# Altium PCB rev5.PcbDoc (part 1 of 3)
Units mil, origin at the board's own origin, x right, y up, seen from the top; angles counter-clockwise.
Board outline 1000 x 900 mil, 2 copper layers (Top Layer, Bottom Layer); 120 components, 16 nets, 1280 pads, 0 vias.
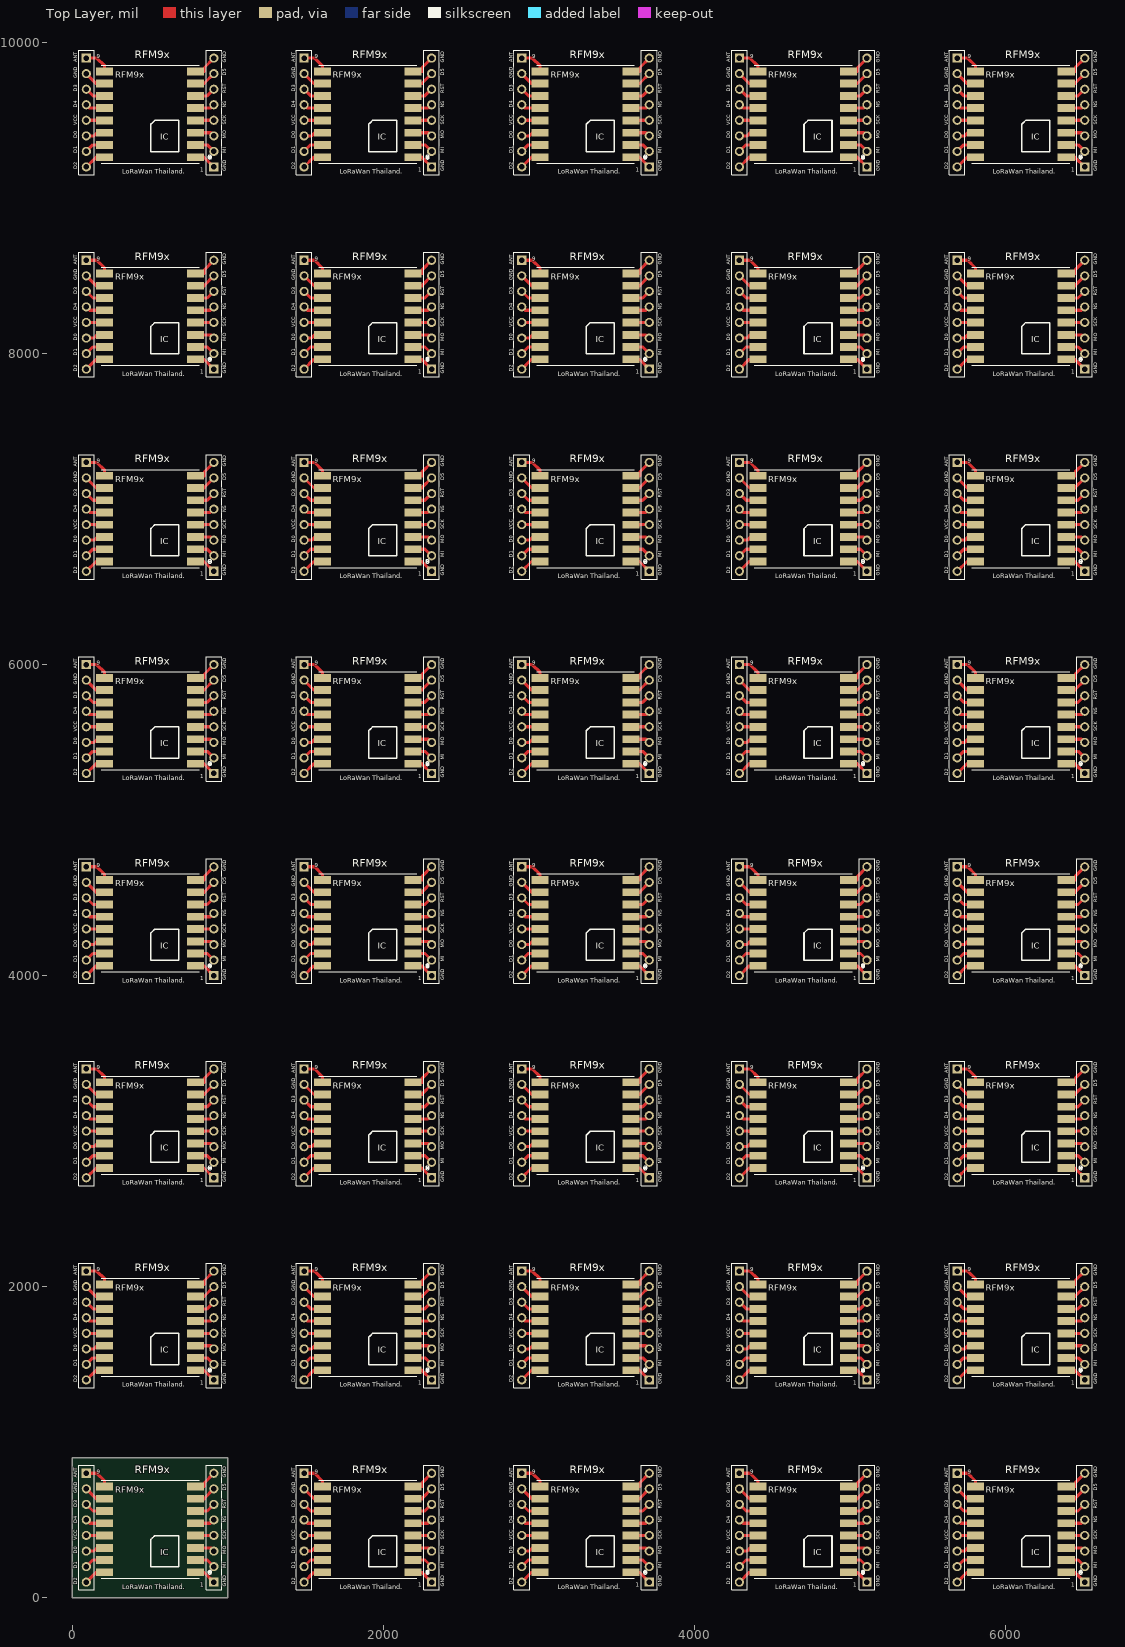
[diagram p0: Top Layer view]
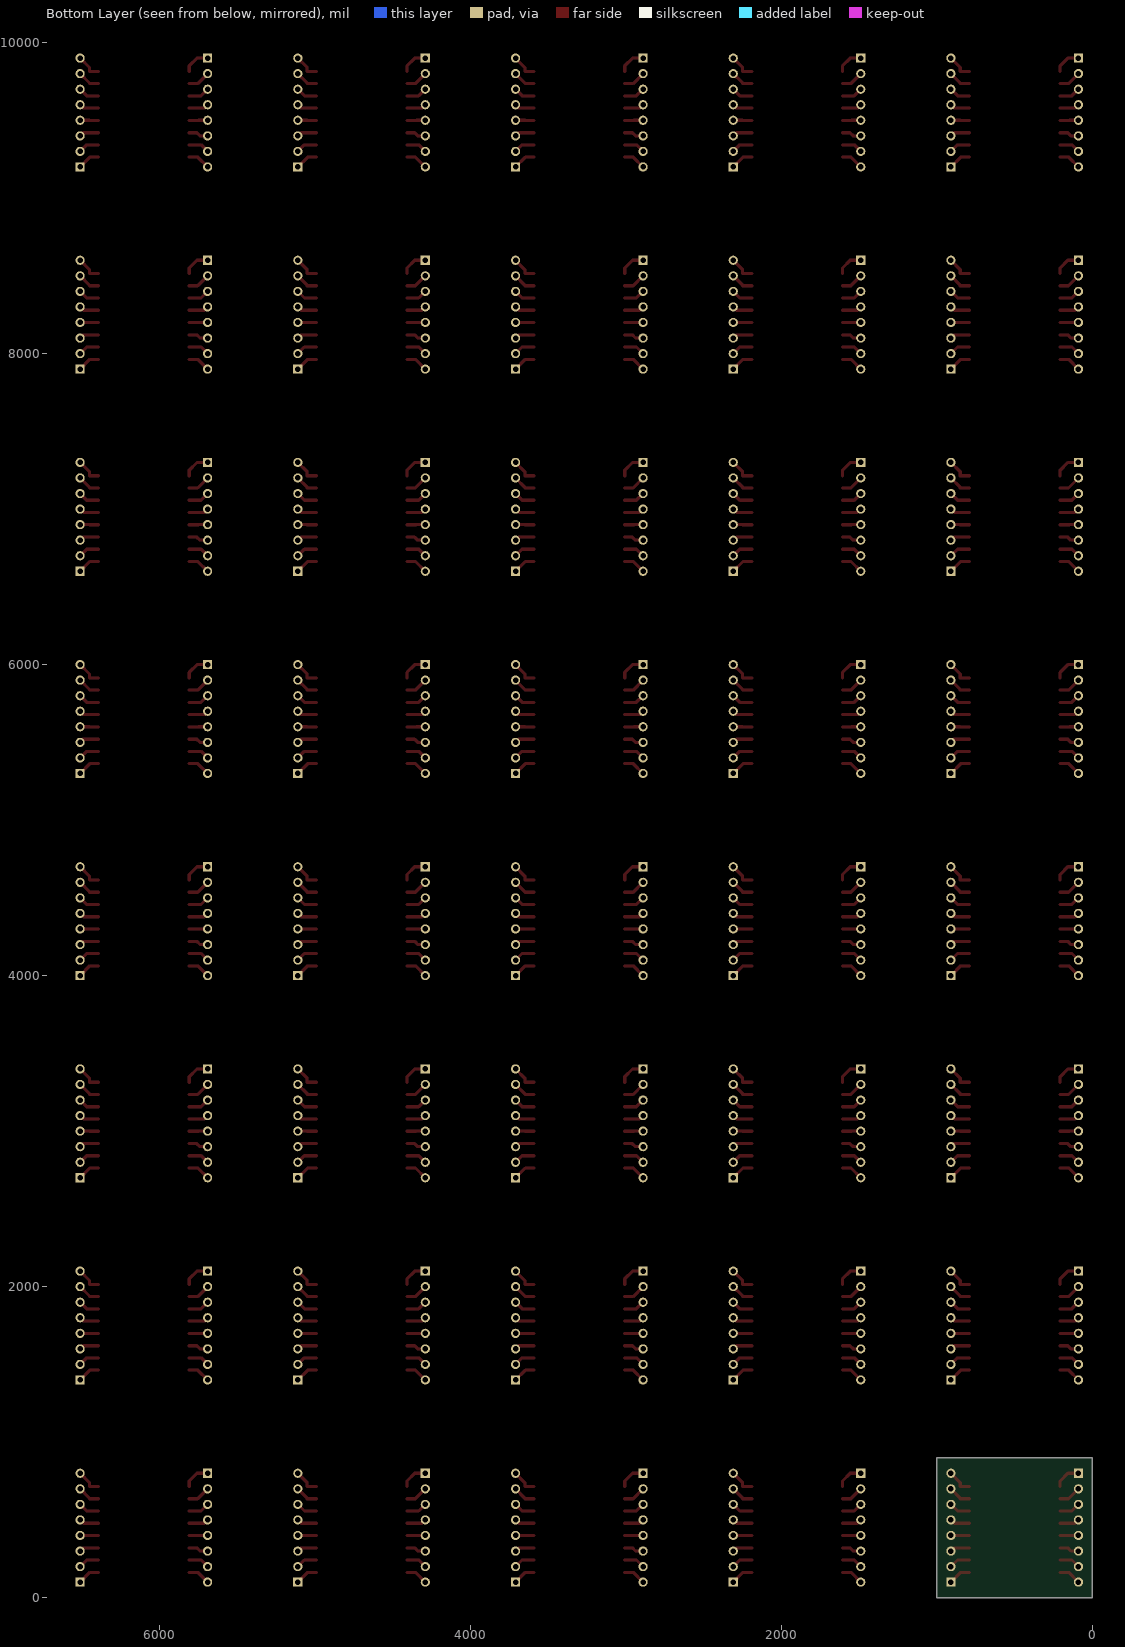
[diagram p1: Bottom Layer view, seen from below]

## Layer stack, top to bottom
Top Solder: solder mask 0.4, Solder Resist, Dk 3.5
Top Layer: signal copper 1.4
Dielectric 1: dielectric 12.6, FR-4, Dk 4.8
Bottom Layer: signal copper 1.4
Bottom Solder: solder mask 0.4, Solder Resist, Dk 3.5

## Board outline
0,0 1000,0 1000,900 0,900

## Design rules (kind name [scope] priority, off if disabled: settings)
Clearance [All] p1: gap=20
PolygonConnect [All] p1: connectstyle=Relief reliefconductorwidth=10 reliefentries=4 polygonreliefangle="90 Angle" airgapwidth=10
RoutingVias [All] p1: holewidth=28 width=50 viastyle="Through Hole" minholewidth=28 minwidth=50 maxholewidth=28 maxwidth=50
SolderMaskExpansion [All] p1: expansion=4
Width [All] p1: maxlimit=20 minlimit=20 preferedwidth=20
30 further rules are at their usual default settings.

## Components (designator, comment, footprint, x,y, rotation, side; value= is the part's Value field where it differs from the comment)
1 "Header 8" HDR1X8 6510,9200 r90 top (schematic designator P1)
1 "Header 8" HDR1X8 5110,9200 r90 top (schematic designator P1)
1 "Header 8" HDR1X8 3710,9200 r90 top (schematic designator P1)
1 "Header 8" HDR1X8 2310,9200 r90 top (schematic designator P1)
1 "Header 8" HDR1X8 910,9200 r90 top (schematic designator P1)
1 "Header 8" HDR1X8 6510,7900 r90 top (schematic designator P1)
1 "Header 8" HDR1X8 5110,7900 r90 top (schematic designator P1)
1 "Header 8" HDR1X8 3710,7900 r90 top (schematic designator P1)
1 "Header 8" HDR1X8 2310,7900 r90 top (schematic designator P1)
1 "Header 8" HDR1X8 910,7900 r90 top (schematic designator P1)
1 "Header 8" HDR1X8 6510,6600 r90 top (schematic designator P1)
1 "Header 8" HDR1X8 5110,6600 r90 top (schematic designator P1)
1 "Header 8" HDR1X8 3710,6600 r90 top (schematic designator P1)
1 "Header 8" HDR1X8 2310,6600 r90 top (schematic designator P1)
1 "Header 8" HDR1X8 910,6600 r90 top (schematic designator P1)
1 "Header 8" HDR1X8 6510,5300 r90 top (schematic designator P1)
1 "Header 8" HDR1X8 5110,5300 r90 top (schematic designator P1)
1 "Header 8" HDR1X8 3710,5300 r90 top (schematic designator P1)
1 "Header 8" HDR1X8 2310,5300 r90 top (schematic designator P1)
1 "Header 8" HDR1X8 910,5300 r90 top (schematic designator P1)
1 "Header 8" HDR1X8 6510,4000 r90 top (schematic designator P1)
1 "Header 8" HDR1X8 5110,4000 r90 top (schematic designator P1)
1 "Header 8" HDR1X8 3710,4000 r90 top (schematic designator P1)
1 "Header 8" HDR1X8 2310,4000 r90 top (schematic designator P1)
1 "Header 8" HDR1X8 910,4000 r90 top (schematic designator P1)
1 "Header 8" HDR1X8 6510,2700 r90 top (schematic designator P1)
1 "Header 8" HDR1X8 5110,2700 r90 top (schematic designator P1)
1 "Header 8" HDR1X8 3710,2700 r90 top (schematic designator P1)
1 "Header 8" HDR1X8 2310,2700 r90 top (schematic designator P1)
1 "Header 8" HDR1X8 910,2700 r90 top (schematic designator P1)
1 "Header 8" HDR1X8 6510,1400 r90 top (schematic designator P1)
1 "Header 8" HDR1X8 5110,1400 r90 top (schematic designator P1)
1 "Header 8" HDR1X8 3710,1400 r90 top (schematic designator P1)
1 "Header 8" HDR1X8 2310,1400 r90 top (schematic designator P1)
1 "Header 8" HDR1X8 910,1400 r90 top (schematic designator P1)
1 "Header 8" HDR1X8 6510,100 r90 top (schematic designator P1)
1 "Header 8" HDR1X8 5110,100 r90 top (schematic designator P1)
1 "Header 8" HDR1X8 3710,100 r90 top (schematic designator P1)
1 "Header 8" HDR1X8 2310,100 r90 top (schematic designator P1)
1 "Header 8" HDR1X8 910,100 r90 top (schematic designator P1)
9 "Header 8" HDR1X8 5690,9900 r270 top (schematic designator P2)
9 "Header 8" HDR1X8 2890,9900 r270 top (schematic designator P2)
9 "Header 8" HDR1X8 90,9900 r270 top (schematic designator P2)
9 "Header 8" HDR1X8 4290,9900 r270 top (schematic designator P2)
9 "Header 8" HDR1X8 1490,9900 r270 top (schematic designator P2)
9 "Header 8" HDR1X8 5690,8600 r270 top (schematic designator P2)
9 "Header 8" HDR1X8 2890,8600 r270 top (schematic designator P2)
9 "Header 8" HDR1X8 90,8600 r270 top (schematic designator P2)
9 "Header 8" HDR1X8 4290,8600 r270 top (schematic designator P2)
9 "Header 8" HDR1X8 1490,8600 r270 top (schematic designator P2)
9 "Header 8" HDR1X8 5690,7300 r270 top (schematic designator P2)
9 "Header 8" HDR1X8 2890,7300 r270 top (schematic designator P2)
9 "Header 8" HDR1X8 90,7300 r270 top (schematic designator P2)
9 "Header 8" HDR1X8 4290,7300 r270 top (schematic designator P2)
9 "Header 8" HDR1X8 1490,7300 r270 top (schematic designator P2)
9 "Header 8" HDR1X8 5690,6000 r270 top (schematic designator P2)
9 "Header 8" HDR1X8 2890,6000 r270 top (schematic designator P2)
9 "Header 8" HDR1X8 90,6000 r270 top (schematic designator P2)
9 "Header 8" HDR1X8 4290,6000 r270 top (schematic designator P2)
9 "Header 8" HDR1X8 1490,6000 r270 top (schematic designator P2)
9 "Header 8" HDR1X8 5690,4700 r270 top (schematic designator P2)
9 "Header 8" HDR1X8 2890,4700 r270 top (schematic designator P2)
9 "Header 8" HDR1X8 90,4700 r270 top (schematic designator P2)
9 "Header 8" HDR1X8 4290,4700 r270 top (schematic designator P2)
9 "Header 8" HDR1X8 1490,4700 r270 top (schematic designator P2)
9 "Header 8" HDR1X8 5690,3400 r270 top (schematic designator P2)
9 "Header 8" HDR1X8 2890,3400 r270 top (schematic designator P2)
9 "Header 8" HDR1X8 90,3400 r270 top (schematic designator P2)
9 "Header 8" HDR1X8 4290,3400 r270 top (schematic designator P2)
9 "Header 8" HDR1X8 1490,3400 r270 top (schematic designator P2)
9 "Header 8" HDR1X8 5690,2100 r270 top (schematic designator P2)
9 "Header 8" HDR1X8 2890,2100 r270 top (schematic designator P2)
9 "Header 8" HDR1X8 90,2100 r270 top (schematic designator P2)
9 "Header 8" HDR1X8 4290,2100 r270 top (schematic designator P2)
9 "Header 8" HDR1X8 1490,2100 r270 top (schematic designator P2)
9 "Header 8" HDR1X8 5690,800 r270 top (schematic designator P2)
9 "Header 8" HDR1X8 4290,800 r270 top (schematic designator P2)
9 "Header 8" HDR1X8 2890,800 r270 top (schematic designator P2)
9 "Header 8" HDR1X8 1490,800 r270 top (schematic designator P2)
9 "Header 8" HDR1X8 90,800 r270 top (schematic designator P2)
RFM9x "LoRa SX1276" XCVR_RFM95W-868S2 6100,9539 r180 top
RFM9x "LoRa SX1276" XCVR_RFM95W-868S2 4700,9539 r180 top
RFM9x "LoRa SX1276" XCVR_RFM95W-868S2 3300,9539 r180 top
RFM9x "LoRa SX1276" XCVR_RFM95W-868S2 1900,9539 r180 top
RFM9x "LoRa SX1276" XCVR_RFM95W-868S2 500,9539 r180 top
RFM9x "LoRa SX1276" XCVR_RFM95W-868S2 6100,8239 r180 top
RFM9x "LoRa SX1276" XCVR_RFM95W-868S2 4700,8239 r180 top
RFM9x "LoRa SX1276" XCVR_RFM95W-868S2 3300,8239 r180 top
RFM9x "LoRa SX1276" XCVR_RFM95W-868S2 1900,8239 r180 top
RFM9x "LoRa SX1276" XCVR_RFM95W-868S2 500,8239 r180 top
RFM9x "LoRa SX1276" XCVR_RFM95W-868S2 6100,6939 r180 top
RFM9x "LoRa SX1276" XCVR_RFM95W-868S2 4700,6939 r180 top
RFM9x "LoRa SX1276" XCVR_RFM95W-868S2 3300,6939 r180 top
RFM9x "LoRa SX1276" XCVR_RFM95W-868S2 1900,6939 r180 top
RFM9x "LoRa SX1276" XCVR_RFM95W-868S2 500,6939 r180 top
RFM9x "LoRa SX1276" XCVR_RFM95W-868S2 6100,5639 r180 top
RFM9x "LoRa SX1276" XCVR_RFM95W-868S2 4700,5639 r180 top
RFM9x "LoRa SX1276" XCVR_RFM95W-868S2 3300,5639 r180 top
RFM9x "LoRa SX1276" XCVR_RFM95W-868S2 1900,5639 r180 top
RFM9x "LoRa SX1276" XCVR_RFM95W-868S2 500,5639 r180 top
RFM9x "LoRa SX1276" XCVR_RFM95W-868S2 6100,4339 r180 top
RFM9x "LoRa SX1276" XCVR_RFM95W-868S2 4700,4339 r180 top
RFM9x "LoRa SX1276" XCVR_RFM95W-868S2 3300,4339 r180 top
RFM9x "LoRa SX1276" XCVR_RFM95W-868S2 1900,4339 r180 top
RFM9x "LoRa SX1276" XCVR_RFM95W-868S2 500,4339 r180 top
RFM9x "LoRa SX1276" XCVR_RFM95W-868S2 6100,3039 r180 top
RFM9x "LoRa SX1276" XCVR_RFM95W-868S2 4700,3039 r180 top
RFM9x "LoRa SX1276" XCVR_RFM95W-868S2 3300,3039 r180 top
RFM9x "LoRa SX1276" XCVR_RFM95W-868S2 1900,3039 r180 top
RFM9x "LoRa SX1276" XCVR_RFM95W-868S2 500,3039 r180 top
RFM9x "LoRa SX1276" XCVR_RFM95W-868S2 6100,1739 r180 top
RFM9x "LoRa SX1276" XCVR_RFM95W-868S2 4700,1739 r180 top
RFM9x "LoRa SX1276" XCVR_RFM95W-868S2 3300,1739 r180 top
RFM9x "LoRa SX1276" XCVR_RFM95W-868S2 1900,1739 r180 top
RFM9x "LoRa SX1276" XCVR_RFM95W-868S2 500,1739 r180 top
RFM9x "LoRa SX1276" XCVR_RFM95W-868S2 6100,439 r180 top
RFM9x "LoRa SX1276" XCVR_RFM95W-868S2 4700,439 r180 top
RFM9x "LoRa SX1276" XCVR_RFM95W-868S2 3300,439 r180 top
RFM9x "LoRa SX1276" XCVR_RFM95W-868S2 1900,439 r180 top
RFM9x "LoRa SX1276" XCVR_RFM95W-868S2 500,439 r180 top

## Footprints (in the part's own frame and the unit in brackets; to place one, negate y for a bottom-side part, rotate by r counter-clockwise, add the part's x,y. Pads: shape width x height; smd on the part's side, far side on the other; paste and mask are expansions set on the pad)
HDR1X8 [mm] "Connector; Header; 8 Position"
  rect 1.5x1.5 hole 0.9: 1(0,0)
  round 1.5 hole 0.9: 2(2.54,0) 3(5.08,0) 4(7.62,0) 5(10.16,0) 6(12.7,0) 7(15.24,0) 8(17.78,0)
  silkscreen extent -1.27,-1.27 19.05,1.27
XCVR_RFM95W-868S2 [mil]
  rect 110x50 smd: 1(-291.34,276) 2(-291.34,197) 3(-291.34,119) 4(-291.34,40) 5(-291.34,-39.37) 6(-291.34,-118.11) 7(-291.34,-196.85) 8(-291.34,-275.59) 9(292,-275.59) 10(292,-196.85) 11(292,-118.11) 12(292,-39.37) 13(292,40) 14(292,119) 15(292,197) 16(292,276)
  silkscreen extent -396,-315 315,315, body extent -315,-313 315,313, height 88

## Part data
1 1 1 1 1 1 1 1 1 1 1 1 1 1 1 1 1 1 1 1 1 1 1 1 1 1 1 1 1 1 1 1 1 1 1 1 1 1 1 1 9 9 9 9 9 9 9 9 9 9 9 9 9 9 9 9 9 9 9 9 9 9 9 9 9 9 9 9 9 9 9 9 9 9 9 9 9 9 9 9: "Header, 8-Pin"
RFM9x RFM9x RFM9x RFM9x RFM9x RFM9x RFM9x RFM9x RFM9x RFM9x RFM9x RFM9x RFM9x RFM9x RFM9x RFM9x RFM9x RFM9x RFM9x RFM9x RFM9x RFM9x RFM9x RFM9x RFM9x RFM9x RFM9x RFM9x RFM9x RFM9x RFM9x RFM9x RFM9x RFM9x RFM9x RFM9x RFM9x RFM9x RFM9x RFM9x: library part RFM95W-868S2

## Nets (pads, with @x,y where several pads share a name; then routed paths per layer and width w, separated by ;. In a path a pad name is that pad's centre, name@x,y a point inside that pad or via, vN(x,y) a via of type N, cw(c..) or ccw(c..) an arc to the next point about the centre after c; other vN are vias at no path point)
NetP1_1: 1.1@910,100 RFM9x.1@791.34,163 | length 144.8
  Top Layer w20: RFM9x.1@791.34,163 847,163 1.1@910,100
NetP1_2: 1.2@910,200 RFM9x.2@791.34,242 | length 136.1
  Top Layer w20: RFM9x.2@791.34,242 868,242 1.2@910,200
NetP1_3: 1.3@910,300 RFM9x.3@791.34,320 | length 126.9
  Top Layer w20: RFM9x.3@791.34,320 890,320 1.3@910,300
NetP1_4: 1.4@910,400 RFM9x.4@791.34,399 | length 119.1
  Top Layer w20: RFM9x.4@791.34,399 850,399 851,400 1.4@910,400
NetP1_5: 1.5@910,500 RFM9x.5@791.34,478.37 | length 127.6
  Top Layer w20: RFM9x.5@791.34,478.37 888.37,478.37 1.5@910,500
NetP1_6: 1.6@910,600 RFM9x.6@791.34,557.11 | length 136.4
  Top Layer w20: RFM9x.6@791.34,557.11 867.11,557.11 1.6@910,600
NetP1_7: 1.7@910,700 RFM9x.7@791.34,635.85 | length 147.7
  Top Layer w20: RFM9x.7@791.34,635.85 850,635.85 850,640 1.7@910,700
NetP1_8: 1.8@910,800 RFM9x.8@791.34,714.59 | length 168.9
  Top Layer w20: RFM9x.8@791.34,714.59 850,714.59 850,740 1.8@910,800
NetP2_1: 9.1@90,800 RFM9x.9@208,714.59 | length 174.1
  Top Layer w20: 9.1@90,800 158,800 208,750 RFM9x.9@208,714.59
NetP2_2: 9.2@90,700 RFM9x.10@208,635.85 | length 144.6
  Top Layer w20: 9.2@90,700 154.15,635.85 RFM9x.10@208,635.85
NetP2_3: 9.3@90,600 RFM9x.11@208,557.11 | length 135.8
  Top Layer w20: 9.3@90,600 132.89,557.11 RFM9x.11@208,557.11
NetP2_4: 9.4@90,500 RFM9x.12@208,478.37 | length 127
  Top Layer w20: 9.4@90,500 111.63,478.37 RFM9x.12@208,478.37
NetP2_5: 9.5@90,400 RFM9x.13@208,399 | length 118.4
  Top Layer w20: 9.5@90,400 148,400 149,399 RFM9x.13@208,399
NetP2_6: 9.6@90,300 RFM9x.14@208,320 | length 126.3
  Top Layer w20: 9.6@90,300 139,300 159,320 RFM9x.14@208,320
NetP2_7: 9.7@90,200 RFM9x.15@208,242 | length 135.4
  Top Layer w20: 9.7@90,200 132,242 RFM9x.15@208,242
NetP2_8: 9.8@90,100 RFM9x.16@208,163 | length 144.1
  Top Layer w20: 9.8@90,100 153,163 RFM9x.16@208,163
pads on no net: 1.1@910,1400 1.1@910,2700 1.1@910,4000 1.1@910,5300 1.1@910,6600 1.1@910,7900 1.1@910,9200 1.1@2310,100 1.1@2310,1400 1.1@2310,2700 1.1@2310,4000 1.1@2310,5300 1.1@2310,6600 1.1@2310,7900 1.1@2310,9200 1.1@3710,100 1.1@3710,1400 1.1@3710,2700 1.1@3710,4000 1.1@3710,5300 1.1@3710,6600 1.1@3710,7900 1.1@3710,9200 1.1@5110,100 1.1@5110,1400 1.1@5110,2700 1.1@5110,4000 1.1@5110,5300 1.1@5110,6600 1.1@5110,7900 1.1@5110,9200 1.1@6510,100 1.1@6510,1400 1.1@6510,2700 1.1@6510,4000 1.1@6510,5300 1.1@6510,6600 1.1@6510,7900 1.1@6510,9200 1.2@910,1500 1.2@910,2800 1.2@910,4100 1.2@910,5400 1.2@910,6700 1.2@910,8000 1.2@910,9300 1.2@2310,200 1.2@2310,1500 1.2@2310,2800 1.2@2310,4100 1.2@2310,5400 1.2@2310,6700 1.2@2310,8000 1.2@2310,9300 1.2@3710,200 1.2@3710,1500 1.2@3710,2800 1.2@3710,4100 1.2@3710,5400 1.2@3710,6700 1.2@3710,8000 1.2@3710,9300 1.2@5110,200 1.2@5110,1500 1.2@5110,2800 1.2@5110,4100 1.2@5110,5400 1.2@5110,6700 1.2@5110,8000 1.2@5110,9300 1.2@6510,200 1.2@6510,1500 1.2@6510,2800 1.2@6510,4100 1.2@6510,5400 1.2@6510,6700 1.2@6510,8000 1.2@6510,9300 1.3@910,1600 1.3@910,2900 1.3@910,4200 1.3@910,5500 1.3@910,6800 1.3@910,8100 1.3@910,9400 1.3@2310,300 1.3@2310,1600 1.3@2310,2900 1.3@2310,4200 1.3@2310,5500 1.3@2310,6800 1.3@2310,8100 1.3@2310,9400 1.3@3710,300 1.3@3710,1600 1.3@3710,2900 1.3@3710,4200 1.3@3710,5500 1.3@3710,6800 1.3@3710,8100 1.3@3710,9400 1.3@5110,300 1.3@5110,1600 1.3@5110,2900 1.3@5110,4200 1.3@5110,5500 1.3@5110,6800 1.3@5110,8100 1.3@5110,9400 1.3@6510,300 1.3@6510,1600 1.3@6510,2900 1.3@6510,4200 1.3@6510,5500 1.3@6510,6800 1.3@6510,8100 1.3@6510,9400 1.4@910,1700 1.4@910,3000 1.4@910,4300 1.4@910,5600 1.4@910,6900 1.4@910,8200 1.4@910,9500 1.4@2310,400 1.4@2310,1700 1.4@2310,3000 1.4@2310,4300 1.4@2310,5600 1.4@2310,6900 1.4@2310,8200 1.4@2310,9500 1.4@3710,400 1.4@3710,1700 1.4@3710,3000 1.4@3710,4300 1.4@3710,5600 1.4@3710,6900 1.4@3710,8200 1.4@3710,9500 1.4@5110,400 1.4@5110,1700 1.4@5110,3000 1.4@5110,4300 1.4@5110,5600 1.4@5110,6900 1.4@5110,8200 1.4@5110,9500 1.4@6510,400 1.4@6510,1700 1.4@6510,3000 1.4@6510,4300 1.4@6510,5600 1.4@6510,6900 1.4@6510,8200 1.4@6510,9500 1.5@910,1800 1.5@910,3100 1.5@910,4400 1.5@910,5700 1.5@910,7000 1.5@910,8300 1.5@910,9600 1.5@2310,500 1.5@2310,1800 1.5@2310,3100 1.5@2310,4400 1.5@2310,5700 1.5@2310,7000 1.5@2310,8300 1.5@2310,9600 1.5@3710,500 1.5@3710,1800 1.5@3710,3100 1.5@3710,4400 1.5@3710,5700 1.5@3710,7000 1.5@3710,8300 1.5@3710,9600 1.5@5110,500 1.5@5110,1800 1.5@5110,3100 1.5@5110,4400 1.5@5110,5700 1.5@5110,7000 1.5@5110,8300 1.5@5110,9600 1.5@6510,500 1.5@6510,1800 1.5@6510,3100 1.5@6510,4400 1.5@6510,5700 1.5@6510,7000 1.5@6510,8300 1.5@6510,9600 1.6@910,1900 1.6@910,3200 1.6@910,4500 1.6@910,5800 1.6@910,7100 1.6@910,8400 1.6@910,9700 1.6@2310,600 1.6@2310,1900 1.6@2310,3200 1.6@2310,4500 1.6@2310,5800 1.6@2310,7100 1.6@2310,8400 1.6@2310,9700 1.6@3710,600 1.6@3710,1900 1.6@3710,3200 1.6@3710,4500 1.6@3710,5800 1.6@3710,7100 1.6@3710,8400 1.6@3710,9700 1.6@5110,600 1.6@5110,1900 1.6@5110,3200 1.6@5110,4500 1.6@5110,5800 1.6@5110,7100 1.6@5110,8400 1.6@5110,9700 1.6@6510,600 1.6@6510,1900 1.6@6510,3200 1.6@6510,4500 1.6@6510,5800 1.6@6510,7100 1.6@6510,8400 1.6@6510,9700 1.7@910,2000 1.7@910,3300 1.7@910,4600 1.7@910,5900 1.7@910,7200 1.7@910,8500 1.7@910,9800 1.7@2310,700 1.7@2310,2000 1.7@2310,3300 1.7@2310,4600 1.7@2310,5900 1.7@2310,7200 1.7@2310,8500 1.7@2310,9800 1.7@3710,700 1.7@3710,2000 1.7@3710,3300 1.7@3710,4600 1.7@3710,5900 1.7@3710,7200 1.7@3710,8500 1.7@3710,9800 1.7@5110,700 1.7@5110,2000 1.7@5110,3300 1.7@5110,4600 1.7@5110,5900 1.7@5110,7200 1.7@5110,8500 1.7@5110,9800 1.7@6510,700 1.7@6510,2000 1.7@6510,3300 1.7@6510,4600 1.7@6510,5900 1.7@6510,7200 1.7@6510,8500 1.7@6510,9800 1.8@910,2100 1.8@910,3400 1.8@910,4700 1.8@910,6000 1.8@910,7300 1.8@910,8600 1.8@910,9900 1.8@2310,800 1.8@2310,2100 1.8@2310,3400 1.8@2310,4700 1.8@2310,6000 1.8@2310,7300 1.8@2310,8600 1.8@2310,9900 1.8@3710,800 1.8@3710,2100 1.8@3710,3400 1.8@3710,4700 1.8@3710,6000 1.8@3710,7300 1.8@3710,8600 1.8@3710,9900 1.8@5110,800 1.8@5110,2100 1.8@5110,3400 1.8@5110,4700 1.8@5110,6000 1.8@5110,7300 1.8@5110,8600 1.8@5110,9900 1.8@6510,800 1.8@6510,2100 1.8@6510,3400 1.8@6510,4700 1.8@6510,6000 1.8@6510,7300 1.8@6510,8600 1.8@6510,9900 9.1@90,2100 9.1@90,3400 9.1@90,4700 9.1@90,6000 9.1@90,7300 9.1@90,8600 9.1@90,9900 9.1@1490,800 9.1@1490,2100 9.1@1490,3400 9.1@1490,4700 9.1@1490,6000 9.1@1490,7300 9.1@1490,8600 9.1@1490,9900 9.1@2890,800 9.1@2890,2100 9.1@2890,3400 9.1@2890,4700 9.1@2890,6000 9.1@2890,7300 9.1@2890,8600 9.1@2890,9900 9.1@4290,800 9.1@4290,2100 9.1@4290,3400 9.1@4290,4700 9.1@4290,6000 9.1@4290,7300 9.1@4290,8600 9.1@4290,9900 9.1@5690,800 9.1@5690,2100 9.1@5690,3400 9.1@5690,4700 9.1@5690,6000 9.1@5690,7300 9.1@5690,8600 9.1@5690,9900 9.2@90,2000 9.2@90,3300 9.2@90,4600 9.2@90,5900 9.2@90,7200 9.2@90,8500 9.2@90,9800 9.2@1490,700 9.2@1490,2000 9.2@1490,3300 9.2@1490,4600 9.2@1490,5900 9.2@1490,7200 9.2@1490,8500 9.2@1490,9800 9.2@2890,700 9.2@2890,2000 9.2@2890,3300 9.2@2890,4600 9.2@2890,5900 9.2@2890,7200 9.2@2890,8500 9.2@2890,9800 9.2@4290,700 9.2@4290,2000 9.2@4290,3300 9.2@4290,4600 9.2@4290,5900 9.2@4290,7200 9.2@4290,8500 9.2@4290,9800 9.2@5690,700 9.2@5690,2000 9.2@5690,3300 9.2@5690,4600 9.2@5690,5900 9.2@5690,7200 9.2@5690,8500 9.2@5690,9800 9.3@90,1900 9.3@90,3200 9.3@90,4500 9.3@90,5800 9.3@90,7100 9.3@90,8400 9.3@90,9700 9.3@1490,600 9.3@1490,1900 9.3@1490,3200 9.3@1490,4500 9.3@1490,5800 9.3@1490,7100 9.3@1490,8400 9.3@1490,9700 9.3@2890,600 9.3@2890,1900 9.3@2890,3200 9.3@2890,4500 9.3@2890,5800 9.3@2890,7100 9.3@2890,8400 9.3@2890,9700 9.3@4290,600 9.3@4290,1900 9.3@4290,3200 9.3@4290,4500 9.3@4290,5800 9.3@4290,7100 9.3@4290,8400 9.3@4290,9700 9.3@5690,600 9.3@5690,1900 9.3@5690,3200 9.3@5690,4500 9.3@5690,5800 9.3@5690,7100 9.3@5690,8400 9.3@5690,9700 9.4@90,1800 9.4@90,3100 9.4@90,4400 9.4@90,5700 9.4@90,7000 9.4@90,8300 9.4@90,9600 9.4@1490,500 9.4@1490,1800 9.4@1490,3100 9.4@1490,4400 9.4@1490,5700 9.4@1490,7000 9.4@1490,8300 9.4@1490,9600 9.4@2890,500 9.4@2890,1800 9.4@2890,3100 9.4@2890,4400 9.4@2890,5700 9.4@2890,7000 9.4@2890,8300 9.4@2890,9600 9.4@4290,500 9.4@4290,1800 9.4@4290,3100 9.4@4290,4400 9.4@4290,5700 9.4@4290,7000 9.4@4290,8300 9.4@4290,9600 9.4@5690,500 9.4@5690,1800 9.4@5690,3100 9.4@5690,4400 9.4@5690,5700 9.4@5690,7000 9.4@5690,8300 9.4@5690,9600 9.5@90,1700 9.5@90,3000 9.5@90,4300 9.5@90,5600 9.5@90,6900 9.5@90,8200 9.5@90,9500 9.5@1490,400 9.5@1490,1700 9.5@1490,3000 9.5@1490,4300 9.5@1490,5600 9.5@1490,6900 9.5@1490,8200 9.5@1490,9500 9.5@2890,400 9.5@2890,1700 9.5@2890,3000 9.5@2890,4300 9.5@2890,5600 9.5@2890,6900 9.5@2890,8200 9.5@2890,9500 9.5@4290,400 9.5@4290,1700 9.5@4290,3000 9.5@4290,4300 9.5@4290,5600 9.5@4290,6900 9.5@4290,8200 9.5@4290,9500 9.5@5690,400 9.5@5690,1700 9.5@5690,3000 9.5@5690,4300 9.5@5690,5600 9.5@5690,6900 9.5@5690,8200 9.5@5690,9500 9.6@90,1600 9.6@90,2900 9.6@90,4200 9.6@90,5500 9.6@90,6800 9.6@90,8100 9.6@90,9400 9.6@1490,300 9.6@1490,1600 9.6@1490,2900 9.6@1490,4200 9.6@1490,5500 9.6@1490,6800 9.6@1490,8100 9.6@1490,9400 9.6@2890,300 9.6@2890,1600 9.6@2890,2900 9.6@2890,4200 9.6@2890,5500 9.6@2890,6800 9.6@2890,8100 9.6@2890,9400 9.6@4290,300 9.6@4290,1600 9.6@4290,2900 9.6@4290,4200 9.6@4290,5500 9.6@4290,6800 9.6@4290,8100 9.6@4290,9400 9.6@5690,300 9.6@5690,1600 9.6@5690,2900 9.6@5690,4200 9.6@5690,5500 9.6@5690,6800 9.6@5690,8100 9.6@5690,9400 9.7@90,1500 9.7@90,2800 9.7@90,4100 9.7@90,5400 9.7@90,6700 9.7@90,8000 9.7@90,9300 9.7@1490,200 9.7@1490,1500 9.7@1490,2800 9.7@1490,4100 9.7@1490,5400 9.7@1490,6700 9.7@1490,8000 9.7@1490,9300 9.7@2890,200 9.7@2890,1500 9.7@2890,2800 9.7@2890,4100 9.7@2890,5400 9.7@2890,6700 9.7@2890,8000 9.7@2890,9300 9.7@4290,200 9.7@4290,1500 9.7@4290,2800 9.7@4290,4100 9.7@4290,5400 9.7@4290,6700 9.7@4290,8000 9.7@4290,9300 9.7@5690,200 9.7@5690,1500 9.7@5690,2800 9.7@5690,4100 9.7@5690,5400 9.7@5690,6700 9.7@5690,8000 9.7@5690,9300 9.8@90,1400 9.8@90,2700 9.8@90,4000 9.8@90,5300 9.8@90,6600 9.8@90,7900 9.8@90,9200 9.8@1490,100 9.8@1490,1400 9.8@1490,2700 9.8@1490,4000 9.8@1490,5300 9.8@1490,6600 9.8@1490,7900 9.8@1490,9200 9.8@2890,100 9.8@2890,1400 9.8@2890,2700 9.8@2890,4000 9.8@2890,5300 9.8@2890,6600 9.8@2890,7900 9.8@2890,9200 9.8@4290,100 9.8@4290,1400 9.8@4290,2700 9.8@4290,4000 9.8@4290,5300 9.8@4290,6600 9.8@4290,7900 9.8@4290,9200 9.8@5690,100 9.8@5690,1400 9.8@5690,2700 9.8@5690,4000 9.8@5690,5300 9.8@5690,6600 9.8@5690,7900 9.8@5690,9200 RFM9x.1@791.34,1463 RFM9x.1@791.34,2763 RFM9x.1@791.34,4063 RFM9x.1@791.34,5363 RFM9x.1@791.34,6663 RFM9x.1@791.34,7963 RFM9x.1@791.34,9263 RFM9x.1@2191.34,163 RFM9x.1@2191.34,1463 RFM9x.1@2191.34,2763 RFM9x.1@2191.34,4063 RFM9x.1@2191.34,5363 RFM9x.1@2191.34,6663 RFM9x.1@2191.34,7963 RFM9x.1@2191.34,9263 RFM9x.1@3591.34,163 RFM9x.1@3591.34,1463 RFM9x.1@3591.34,2763 RFM9x.1@3591.34,4063 RFM9x.1@3591.34,5363 RFM9x.1@3591.34,6663 RFM9x.1@3591.34,7963 RFM9x.1@3591.34,9263 RFM9x.1@4991.34,163 RFM9x.1@4991.34,1463 RFM9x.1@4991.34,2763 RFM9x.1@4991.34,4063 RFM9x.1@4991.34,5363 RFM9x.1@4991.34,6663 RFM9x.1@4991.34,7963 RFM9x.1@4991.34,9263 RFM9x.1@6391.34,163 RFM9x.1@6391.34,1463 RFM9x.1@6391.34,2763 RFM9x.1@6391.34,4063 RFM9x.1@6391.34,5363 RFM9x.1@6391.34,6663 RFM9x.1@6391.34,7963 RFM9x.1@6391.34,9263 RFM9x.2@791.34,1542 RFM9x.2@791.34,2842 RFM9x.2@791.34,4142 RFM9x.2@791.34,5442 RFM9x.2@791.34,6742 RFM9x.2@791.34,8042 RFM9x.2@791.34,9342 RFM9x.2@2191.34,242 RFM9x.2@2191.34,1542 RFM9x.2@2191.34,2842 RFM9x.2@2191.34,4142 RFM9x.2@2191.34,5442 RFM9x.2@2191.34,6742 RFM9x.2@2191.34,8042 RFM9x.2@2191.34,9342 RFM9x.2@3591.34,242 RFM9x.2@3591.34,1542 RFM9x.2@3591.34,2842 RFM9x.2@3591.34,4142 RFM9x.2@3591.34,5442 RFM9x.2@3591.34,6742 RFM9x.2@3591.34,8042 RFM9x.2@3591.34,9342 RFM9x.2@4991.34,242 RFM9x.2@4991.34,1542 RFM9x.2@4991.34,2842 RFM9x.2@4991.34,4142 RFM9x.2@4991.34,5442 RFM9x.2@4991.34,6742 RFM9x.2@4991.34,8042 RFM9x.2@4991.34,9342 RFM9x.2@6391.34,242 RFM9x.2@6391.34,1542 RFM9x.2@6391.34,2842 RFM9x.2@6391.34,4142 RFM9x.2@6391.34,5442 RFM9x.2@6391.34,6742 RFM9x.2@6391.34,8042 RFM9x.2@6391.34,9342 RFM9x.3@791.34,1620 RFM9x.3@791.34,2920 RFM9x.3@791.34,4220 RFM9x.3@791.34,5520 RFM9x.3@791.34,6820 RFM9x.3@791.34,8120 RFM9x.3@791.34,9420 RFM9x.3@2191.34,320 RFM9x.3@2191.34,1620 RFM9x.3@2191.34,2920 RFM9x.3@2191.34,4220 RFM9x.3@2191.34,5520 RFM9x.3@2191.34,6820 RFM9x.3@2191.34,8120 RFM9x.3@2191.34,9420 RFM9x.3@3591.34,320 RFM9x.3@3591.34,1620 RFM9x.3@3591.34,2920 RFM9x.3@3591.34,4220 RFM9x.3@3591.34,5520 RFM9x.3@3591.34,6820 RFM9x.3@3591.34,8120 RFM9x.3@3591.34,9420 RFM9x.3@4991.34,320 RFM9x.3@4991.34,1620 RFM9x.3@4991.34,2920 RFM9x.3@4991.34,4220 RFM9x.3@4991.34,5520 RFM9x.3@4991.34,6820 RFM9x.3@4991.34,8120 RFM9x.3@4991.34,9420 RFM9x.3@6391.34,320 RFM9x.3@6391.34,1620 RFM9x.3@6391.34,2920 RFM9x.3@6391.34,4220 RFM9x.3@6391.34,5520 RFM9x.3@6391.34,6820 RFM9x.3@6391.34,8120 RFM9x.3@6391.34,9420 RFM9x.4@791.34,1699 RFM9x.4@791.34,2999 RFM9x.4@791.34,4299 RFM9x.4@791.34,5599 RFM9x.4@791.34,6899 RFM9x.4@791.34,8199 RFM9x.4@791.34,9499 RFM9x.4@2191.34,399 RFM9x.4@2191.34,1699 RFM9x.4@2191.34,2999 RFM9x.4@2191.34,4299 RFM9x.4@2191.34,5599 RFM9x.4@2191.34,6899 RFM9x.4@2191.34,8199 RFM9x.4@2191.34,9499 RFM9x.4@3591.34,399 RFM9x.4@3591.34,1699 RFM9x.4@3591.34,2999 RFM9x.4@3591.34,4299 RFM9x.4@3591.34,5599 RFM9x.4@3591.34,6899 RFM9x.4@3591.34,8199 RFM9x.4@3591.34,9499 RFM9x.4@4991.34,399 RFM9x.4@4991.34,1699 RFM9x.4@4991.34,2999 RFM9x.4@4991.34,4299 RFM9x.4@4991.34,5599 RFM9x.4@4991.34,6899 RFM9x.4@4991.34,8199 RFM9x.4@4991.34,9499 RFM9x.4@6391.34,399 RFM9x.4@6391.34,1699 RFM9x.4@6391.34,2999 RFM9x.4@6391.34,4299 RFM9x.4@6391.34,5599 RFM9x.4@6391.34,6899 RFM9x.4@6391.34,8199 RFM9x.4@6391.34,9499 RFM9x.5@791.34,1778.37 RFM9x.5@791.34,3078.37 RFM9x.5@791.34,4378.37 RFM9x.5@791.34,5678.37 RFM9x.5@791.34,6978.37 RFM9x.5@791.34,8278.37 RFM9x.5@791.34,9578.37 RFM9x.5@2191.34,478.37 RFM9x.5@2191.34,1778.37 RFM9x.5@2191.34,3078.37 RFM9x.5@2191.34,4378.37 RFM9x.5@2191.34,5678.37 RFM9x.5@2191.34,6978.37 RFM9x.5@2191.34,8278.37 RFM9x.5@2191.34,9578.37 RFM9x.5@3591.34,478.37 RFM9x.5@3591.34,1778.37 RFM9x.5@3591.34,3078.37 RFM9x.5@3591.34,4378.37 RFM9x.5@3591.34,5678.37 RFM9x.5@3591.34,6978.37 RFM9x.5@3591.34,8278.37 RFM9x.5@3591.34,9578.37 RFM9x.5@4991.34,478.37 RFM9x.5@4991.34,1778.37 RFM9x.5@4991.34,3078.37 RFM9x.5@4991.34,4378.37 RFM9x.5@4991.34,5678.37 RFM9x.5@4991.34,6978.37 RFM9x.5@4991.34,8278.37 RFM9x.5@4991.34,9578.37 RFM9x.5@6391.34,478.37 RFM9x.5@6391.34,1778.37 RFM9x.5@6391.34,3078.37 RFM9x.5@6391.34,4378.37 RFM9x.5@6391.34,5678.37 RFM9x.5@6391.34,6978.37 RFM9x.5@6391.34,8278.37 RFM9x.5@6391.34,9578.37 RFM9x.6@791.34,1857.11 RFM9x.6@791.34,3157.11 RFM9x.6@791.34,4457.11 RFM9x.6@791.34,5757.11 RFM9x.6@791.34,7057.11 RFM9x.6@791.34,8357.11 RFM9x.6@791.34,9657.11 RFM9x.6@2191.34,557.11 RFM9x.6@2191.34,1857.11 RFM9x.6@2191.34,3157.11 RFM9x.6@2191.34,4457.11 RFM9x.6@2191.34,5757.11 RFM9x.6@2191.34,7057.11 RFM9x.6@2191.34,8357.11 RFM9x.6@2191.34,9657.11 RFM9x.6@3591.34,557.11 RFM9x.6@3591.34,1857.11 RFM9x.6@3591.34,3157.11 RFM9x.6@3591.34,4457.11 RFM9x.6@3591.34,5757.11 RFM9x.6@3591.34,7057.11 RFM9x.6@3591.34,8357.11 RFM9x.6@3591.34,9657.11 RFM9x.6@4991.34,557.11 RFM9x.6@4991.34,1857.11 RFM9x.6@4991.34,3157.11 RFM9x.6@4991.34,4457.11 RFM9x.6@4991.34,5757.11 RFM9x.6@4991.34,7057.11 RFM9x.6@4991.34,8357.11 RFM9x.6@4991.34,9657.11 RFM9x.6@6391.34,557.11 RFM9x.6@6391.34,1857.11 RFM9x.6@6391.34,3157.11 RFM9x.6@6391.34,4457.11 RFM9x.6@6391.34,5757.11 RFM9x.6@6391.34,7057.11 RFM9x.6@6391.34,8357.11 RFM9x.6@6391.34,9657.11 RFM9x.7@791.34,1935.85 RFM9x.7@791.34,3235.85 RFM9x.7@791.34,4535.85 RFM9x.7@791.34,5835.85 RFM9x.7@791.34,7135.85 RFM9x.7@791.34,8435.85 RFM9x.7@791.34,9735.85 RFM9x.7@2191.34,635.85 RFM9x.7@2191.34,1935.85 RFM9x.7@2191.34,3235.85 RFM9x.7@2191.34,4535.85 RFM9x.7@2191.34,5835.85 RFM9x.7@2191.34,7135.85 RFM9x.7@2191.34,8435.85 RFM9x.7@2191.34,9735.85 RFM9x.7@3591.34,635.85 RFM9x.7@3591.34,1935.85 RFM9x.7@3591.34,3235.85 RFM9x.7@3591.34,4535.85 RFM9x.7@3591.34,5835.85 RFM9x.7@3591.34,7135.85 RFM9x.7@3591.34,8435.85 RFM9x.7@3591.34,9735.85 RFM9x.7@4991.34,635.85 RFM9x.7@4991.34,1935.85 RFM9x.7@4991.34,3235.85 RFM9x.7@4991.34,4535.85 RFM9x.7@4991.34,5835.85 RFM9x.7@4991.34,7135.85 RFM9x.7@4991.34,8435.85 RFM9x.7@4991.34,9735.85 RFM9x.7@6391.34,635.85 RFM9x.7@6391.34,1935.85 RFM9x.7@6391.34,3235.85 RFM9x.7@6391.34,4535.85 RFM9x.7@6391.34,5835.85 RFM9x.7@6391.34,7135.85 RFM9x.7@6391.34,8435.85 RFM9x.7@6391.34,9735.85 RFM9x.8@791.34,2014.59 RFM9x.8@791.34,3314.59 RFM9x.8@791.34,4614.59 RFM9x.8@791.34,5914.59 RFM9x.8@791.34,7214.59 RFM9x.8@791.34,8514.59 RFM9x.8@791.34,9814.59 RFM9x.8@2191.34,714.59 RFM9x.8@2191.34,2014.59 RFM9x.8@2191.34,3314.59 RFM9x.8@2191.34,4614.59 RFM9x.8@2191.34,5914.59 RFM9x.8@2191.34,7214.59 RFM9x.8@2191.34,8514.59 RFM9x.8@2191.34,9814.59 RFM9x.8@3591.34,714.59 RFM9x.8@3591.34,2014.59 RFM9x.8@3591.34,3314.59 RFM9x.8@3591.34,4614.59 RFM9x.8@3591.34,5914.59 RFM9x.8@3591.34,7214.59 RFM9x.8@3591.34,8514.59 RFM9x.8@3591.34,9814.59 RFM9x.8@4991.34,714.59 RFM9x.8@4991.34,2014.59 RFM9x.8@4991.34,3314.59 RFM9x.8@4991.34,4614.59 RFM9x.8@4991.34,5914.59 RFM9x.8@4991.34,7214.59 RFM9x.8@4991.34,8514.59 RFM9x.8@4991.34,9814.59 RFM9x.8@6391.34,714.59 RFM9x.8@6391.34,2014.59 RFM9x.8@6391.34,3314.59 RFM9x.8@6391.34,4614.59 RFM9x.8@6391.34,5914.59 RFM9x.8@6391.34,7214.59 RFM9x.8@6391.34,8514.59 RFM9x.8@6391.34,9814.59 RFM9x.9@208,2014.59 RFM9x.9@208,3314.59 RFM9x.9@208,4614.59 RFM9x.9@208,5914.59 RFM9x.9@208,7214.59 RFM9x.9@208,8514.59 RFM9x.9@208,9814.59 RFM9x.9@1608,714.59 RFM9x.9@1608,2014.59 RFM9x.9@1608,3314.59 RFM9x.9@1608,4614.59 RFM9x.9@1608,5914.59 RFM9x.9@1608,7214.59 RFM9x.9@1608,8514.59 RFM9x.9@1608,9814.59 RFM9x.9@3008,714.59 RFM9x.9@3008,2014.59 RFM9x.9@3008,3314.59 RFM9x.9@3008,4614.59 RFM9x.9@3008,5914.59 RFM9x.9@3008,7214.59 RFM9x.9@3008,8514.59 RFM9x.9@3008,9814.59 RFM9x.9@4408,714.59 RFM9x.9@4408,2014.59 RFM9x.9@4408,3314.59 RFM9x.9@4408,4614.59 RFM9x.9@4408,5914.59 RFM9x.9@4408,7214.59 RFM9x.9@4408,8514.59 RFM9x.9@4408,9814.59 RFM9x.9@5808,714.59 RFM9x.9@5808,2014.59 RFM9x.9@5808,3314.59 RFM9x.9@5808,4614.59 RFM9x.9@5808,5914.59 RFM9x.9@5808,7214.59 RFM9x.9@5808,8514.59 RFM9x.9@5808,9814.59 RFM9x.10@208,1935.85 RFM9x.10@208,3235.85 RFM9x.10@208,4535.85 RFM9x.10@208,5835.85 RFM9x.10@208,7135.85 RFM9x.10@208,8435.85 RFM9x.10@208,9735.85 RFM9x.10@1608,635.85 RFM9x.10@1608,1935.85 RFM9x.10@1608,3235.85 RFM9x.10@1608,4535.85 RFM9x.10@1608,5835.85 RFM9x.10@1608,7135.85 RFM9x.10@1608,8435.85 RFM9x.10@1608,9735.85 RFM9x.10@3008,635.85 RFM9x.10@3008,1935.85 RFM9x.10@3008,3235.85 RFM9x.10@3008,4535.85 RFM9x.10@3008,5835.85 RFM9x.10@3008,7135.85 RFM9x.10@3008,8435.85 RFM9x.10@3008,9735.85 RFM9x.10@4408,635.85 RFM9x.10@4408,1935.85 RFM9x.10@4408,3235.85 RFM9x.10@4408,4535.85 RFM9x.10@4408,5835.85 RFM9x.10@4408,7135.85 RFM9x.10@4408,8435.85 RFM9x.10@4408,9735.85 RFM9x.10@5808,635.85 RFM9x.10@5808,1935.85 RFM9x.10@5808,3235.85 RFM9x.10@5808,4535.85 RFM9x.10@5808,5835.85 RFM9x.10@5808,7135.85 RFM9x.10@5808,8435.85 RFM9x.10@5808,9735.85 RFM9x.11@208,1857.11 RFM9x.11@208,3157.11 RFM9x.11@208,4457.11 RFM9x.11@208,5757.11 RFM9x.11@208,7057.11 RFM9x.11@208,8357.11 RFM9x.11@208,9657.11 RFM9x.11@1608,557.11 RFM9x.11@1608,1857.11 RFM9x.11@1608,3157.11 RFM9x.11@1608,4457.11 RFM9x.11@1608,5757.11 RFM9x.11@1608,7057.11 RFM9x.11@1608,8357.11 RFM9x.11@1608,9657.11 RFM9x.11@3008,557.11 RFM9x.11@3008,1857.11 RFM9x.11@3008,3157.11 RFM9x.11@3008,4457.11 RFM9x.11@3008,5757.11 RFM9x.11@3008,7057.11 RFM9x.11@3008,8357.11 RFM9x.11@3008,9657.11 RFM9x.11@4408,557.11 RFM9x.11@4408,1857.11 RFM9x.11@4408,3157.11 RFM9x.11@4408,4457.11 RFM9x.11@4408,5757.11 RFM9x.11@4408,7057.11 RFM9x.11@4408,8357.11 RFM9x.11@4408,9657.11 RFM9x.11@5808,557.11 RFM9x.11@5808,1857.11 RFM9x.11@5808,3157.11 RFM9x.11@5808,4457.11 RFM9x.11@5808,5757.11 RFM9x.11@5808,7057.11 RFM9x.11@5808,8357.11 RFM9x.11@5808,9657.11 RFM9x.12@208,1778.37 RFM9x.12@208,3078.37 RFM9x.12@208,4378.37 RFM9x.12@208,5678.37 RFM9x.12@208,6978.37 RFM9x.12@208,8278.37 RFM9x.12@208,9578.37 RFM9x.12@1608,478.37 RFM9x.12@1608,1778.37 RFM9x.12@1608,3078.37 RFM9x.12@1608,4378.37 RFM9x.12@1608,5678.37 RFM9x.12@1608,6978.37 RFM9x.12@1608,8278.37 RFM9x.12@1608,9578.37 RFM9x.12@3008,478.37 RFM9x.12@3008,1778.37 RFM9x.12@3008,3078.37 RFM9x.12@3008,4378.37 RFM9x.12@3008,5678.37 RFM9x.12@3008,6978.37 RFM9x.12@3008,8278.37 RFM9x.12@3008,9578.37 RFM9x.12@4408,478.37 RFM9x.12@4408,1778.37 RFM9x.12@4408,3078.37 RFM9x.12@4408,4378.37 RFM9x.12@4408,5678.37 RFM9x.12@4408,6978.37 RFM9x.12@4408,8278.37 RFM9x.12@4408,9578.37 RFM9x.12@5808,478.37 RFM9x.12@5808,1778.37 RFM9x.12@5808,3078.37 RFM9x.12@5808,4378.37 RFM9x.12@5808,5678.37 RFM9x.12@5808,6978.37 RFM9x.12@5808,8278.37 RFM9x.12@5808,9578.37 RFM9x.13@208,1699 RFM9x.13@208,2999 RFM9x.13@208,4299 RFM9x.13@208,5599 RFM9x.13@208,6899 RFM9x.13@208,8199 RFM9x.13@208,9499 RFM9x.13@1608,399 RFM9x.13@1608,1699 RFM9x.13@1608,2999 RFM9x.13@1608,4299 RFM9x.13@1608,5599 RFM9x.13@1608,6899 RFM9x.13@1608,8199 RFM9x.13@1608,9499 RFM9x.13@3008,399 RFM9x.13@3008,1699 RFM9x.13@3008,2999 RFM9x.13@3008,4299 RFM9x.13@3008,5599 RFM9x.13@3008,6899 RFM9x.13@3008,8199 RFM9x.13@3008,9499 RFM9x.13@4408,399 RFM9x.13@4408,1699 RFM9x.13@4408,2999 RFM9x.13@4408,4299 RFM9x.13@4408,5599 RFM9x.13@4408,6899 RFM9x.13@4408,8199 RFM9x.13@4408,9499 RFM9x.13@5808,399 RFM9x.13@5808,1699 RFM9x.13@5808,2999 RFM9x.13@5808,4299 RFM9x.13@5808,5599 RFM9x.13@5808,6899 RFM9x.13@5808,8199 RFM9x.13@5808,9499 RFM9x.14@208,1620 RFM9x.14@208,2920 RFM9x.14@208,4220 RFM9x.14@208,5520 RFM9x.14@208,6820 RFM9x.14@208,8120 RFM9x.14@208,9420 RFM9x.14@1608,320 RFM9x.14@1608,1620 RFM9x.14@1608,2920 RFM9x.14@1608,4220 RFM9x.14@1608,5520 RFM9x.14@1608,6820 RFM9x.14@1608,8120 RFM9x.14@1608,9420 RFM9x.14@3008,320 RFM9x.14@3008,1620 RFM9x.14@3008,2920 RFM9x.14@3008,4220 RFM9x.14@3008,5520 RFM9x.14@3008,6820 RFM9x.14@3008,8120 RFM9x.14@3008,9420 RFM9x.14@4408,320 RFM9x.14@4408,1620 RFM9x.14@4408,2920 RFM9x.14@4408,4220 RFM9x.14@4408,5520 RFM9x.14@4408,6820 RFM9x.14@4408,8120 RFM9x.14@4408,9420 RFM9x.14@5808,320 RFM9x.14@5808,1620 RFM9x.14@5808,2920 RFM9x.14@5808,4220 RFM9x.14@5808,5520 RFM9x.14@5808,6820 RFM9x.14@5808,8120 RFM9x.14@5808,9420 RFM9x.15@208,1542 RFM9x.15@208,2842 RFM9x.15@208,4142 RFM9x.15@208,5442 RFM9x.15@208,6742 RFM9x.15@208,8042 RFM9x.15@208,9342 RFM9x.15@1608,242 RFM9x.15@1608,1542 RFM9x.15@1608,2842 RFM9x.15@1608,4142 RFM9x.15@1608,5442 RFM9x.15@1608,6742 RFM9x.15@1608,8042 RFM9x.15@1608,9342 RFM9x.15@3008,242 RFM9x.15@3008,1542 RFM9x.15@3008,2842 RFM9x.15@3008,4142 RFM9x.15@3008,5442 RFM9x.15@3008,6742 RFM9x.15@3008,8042 RFM9x.15@3008,9342 RFM9x.15@4408,242 RFM9x.15@4408,1542 RFM9x.15@4408,2842 RFM9x.15@4408,4142 RFM9x.15@4408,5442 RFM9x.15@4408,6742 RFM9x.15@4408,8042 RFM9x.15@4408,9342 RFM9x.15@5808,242 RFM9x.15@5808,1542 RFM9x.15@5808,2842 RFM9x.15@5808,4142 RFM9x.15@5808,5442 RFM9x.15@5808,6742 RFM9x.15@5808,8042 RFM9x.15@5808,9342 RFM9x.16@208,1463 RFM9x.16@208,2763 RFM9x.16@208,4063 RFM9x.16@208,5363 RFM9x.16@208,6663 RFM9x.16@208,7963 RFM9x.16@208,9263 RFM9x.16@1608,163 RFM9x.16@1608,1463 RFM9x.16@1608,2763 RFM9x.16@1608,4063 RFM9x.16@1608,5363 RFM9x.16@1608,6663 RFM9x.16@1608,7963 RFM9x.16@1608,9263 RFM9x.16@3008,163 RFM9x.16@3008,1463 RFM9x.16@3008,2763 RFM9x.16@3008,4063 RFM9x.16@3008,5363 RFM9x.16@3008,6663 RFM9x.16@3008,7963 RFM9x.16@3008,9263 RFM9x.16@4408,163 RFM9x.16@4408,1463 RFM9x.16@4408,2763 RFM9x.16@4408,4063 RFM9x.16@4408,5363 RFM9x.16@4408,6663 RFM9x.16@4408,7963 RFM9x.16@4408,9263 RFM9x.16@5808,163 RFM9x.16@5808,1463 RFM9x.16@5808,2763 RFM9x.16@5808,4063 RFM9x.16@5808,5363 RFM9x.16@5808,6663 RFM9x.16@5808,7963 RFM9x.16@5808,9263